# KiCad board EKO_Miner_BM1366-13xx_16-01A.kicad_pcb (continued)
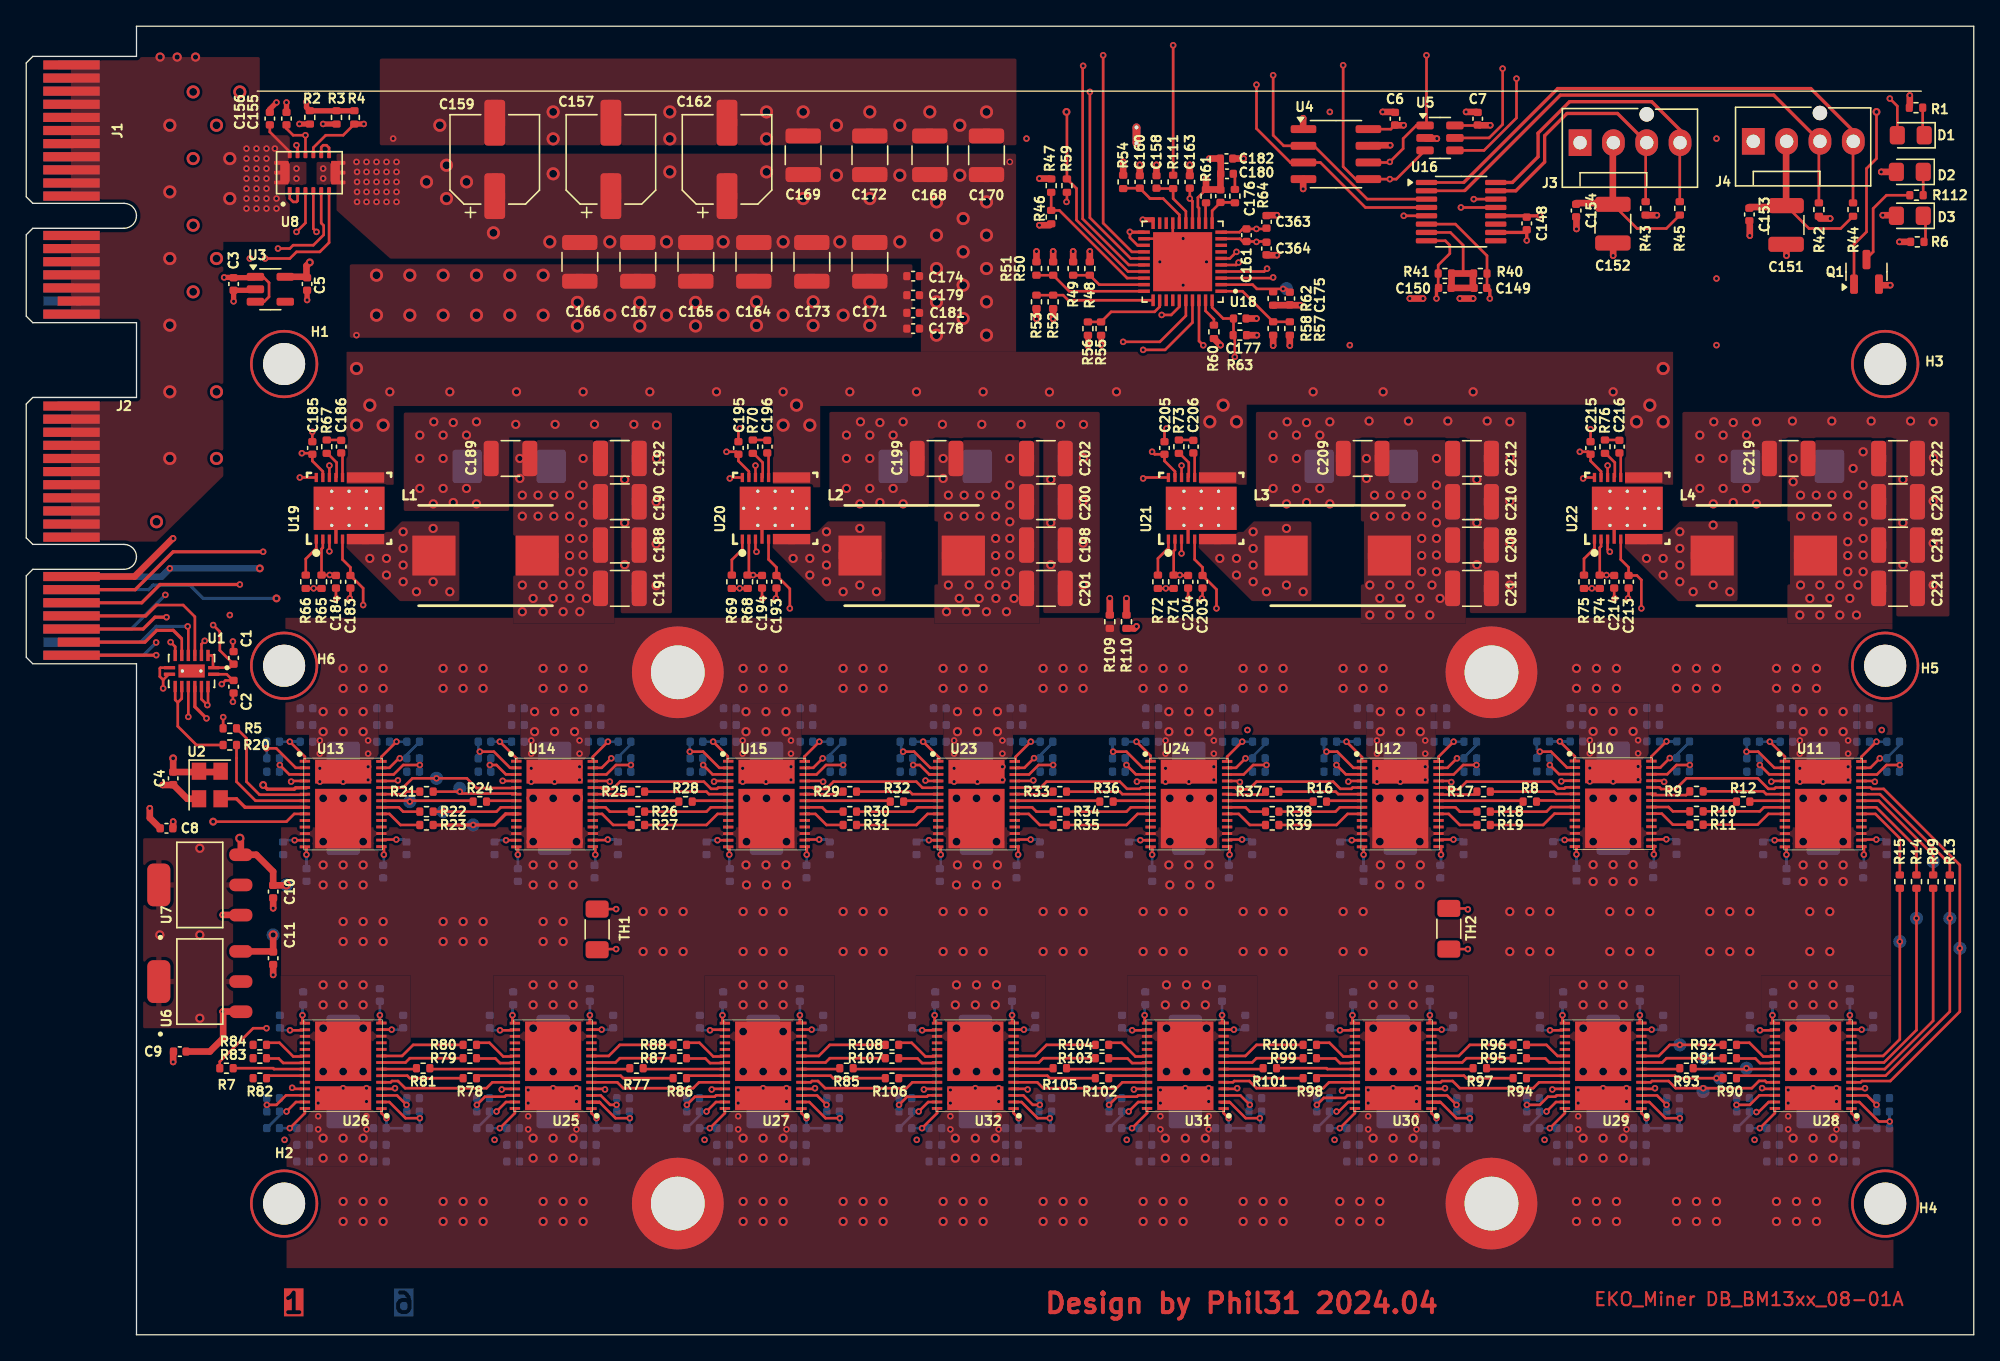
[diagram p0: board, top side]
## Placement (name value [footprint] x y rotation side) (continued)
C347  1uF  [C_0402_1005Metric]  77.65 17.02 0 bottom
C348  1uF  [C_0402_1005Metric]  76.89 23.88 90 bottom
C349  1uF  [C_0402_1005Metric]  77.65 15.75 180 bottom
C350  1uF  [C_0402_1005Metric]  69.27 25.65 90 bottom
C351  1uF  [C_0402_1005Metric]  75.11 15.75 180 bottom
C352  100nF  [C_0402_1005Metric]  75.11 13.21 0 bottom
C353  100nF  [C_0402_1005Metric]  75.11 14.48 0 bottom
C354  1uF  [C_0402_1005Metric]  69.27 14.48 180 bottom
C355  1uF  [C_0402_1005Metric]  69.27 13.21 180 bottom
C356  330uF  [CP_EIA-7343-31_Kemet-D_Pad2.25x2.55mm_HandSolder]  72.32 20.07 90 bottom
C357  1uF  [C_0402_1005Metric]  69.27 15.75 180 bottom
C358  1uF  [C_0402_1005Metric]  75.11 25.91 90 bottom
C359  1uF  [C_0402_1005Metric]  66.99 15.75 180 bottom
C360  1uF  [C_0402_1005Metric]  67.49 23.88 90 bottom
C361  1uF  [C_0402_1005Metric]  66.99 17.02 180 bottom
C362  1uF  [C_0402_1005Metric]  66.99 18.03 0 bottom
C363  22pF  [C_0402_1005Metric]  94.51 84.84 270 top
C364  22pF  [C_0402_1005Metric]  94.51 82.8 90 top
C365  100uF  [C_1210_3225Metric]  45.23 56.9 0 bottom
C366  100uF  [C_1210_3225Metric]  45.23 60.2 0 bottom
C367  100uF  [C_1210_3225Metric]  45.23 63.5 0 bottom
C368  100uF  [C_1210_3225Metric]  45.23 66.8 0 bottom
C369  100uF  [C_1210_3225Metric]  77.7 56.9 0 bottom
C370  100uF  [C_1210_3225Metric]  77.7 60.2 0 bottom
C371  100uF  [C_1210_3225Metric]  77.7 63.5 0 bottom
C372  100uF  [C_1210_3225Metric]  77.7 66.8 0 bottom
C373  100uF  [C_1210_3225Metric]  110.16 56.9 0 bottom
C374  100uF  [C_1210_3225Metric]  110.16 60.2 0 bottom
C375  100uF  [C_1210_3225Metric]  110.16 63.5 0 bottom
C376  100uF  [C_1210_3225Metric]  110.16 66.8 0 bottom
C377  100uF  [C_1210_3225Metric]  142.63 56.9 0 bottom
C378  100uF  [C_1210_3225Metric]  142.63 60.2 0 bottom
C379  100uF  [C_1210_3225Metric]  142.63 63.5 0 bottom
C380  100uF  [C_1210_3225Metric]  142.63 66.8 0 bottom
D1  LED  [LED_0805_2012Metric_Pad1.15x1.40mm_HandSolder]  143.6 91.44 180 top
D2  LED  [LED_0805_2012Metric_Pad1.15x1.40mm_HandSolder]  143.53 88.65 180 top
D3  LED  [LED_0805_2012Metric_Pad1.15x1.40mm_HandSolder]  143.53 85.3 180 top
H1  MountingHole  [MountingHole_3.2mm_M3_ISO7380]  19.65 74 0 top
H2  MountingHole  [MountingHole_3.2mm_M3_ISO7380]  19.65 10 0 top
H3  MountingHole  [MountingHole_3.2mm_M3_ISO7380]  141.65 74 0 top
H4  MountingHole  [MountingHole_3.2mm_M3_ISO7380]  141.65 10 0 top
H5  MountingHole  [MountingHole_3.2mm_M3_ISO7380]  141.65 51 0 top
H6  MountingHole  [MountingHole_3.2mm_M3_ISO7380]  19.65 51 0 top
H7  MountingHole_Pad  [SMTSO-M3-3ET]  49.65 50.5 180 bottom
H8  MountingHole_Pad  [SMTSO-M3-3ET]  111.65 50.5 180 bottom
H11  MountingHole_Pad  [SMTSO-M3-3ET]  111.65 10 180 bottom
H12  MountingHole_Pad  [SMTSO-M3-3ET]  49.65 10 180 bottom
J1  10018784-10210TLF  [BUS_PCIexpress_x1]  3.45 96.8 270 top
J2  10018784-10210TLF  [BUS_PCIexpress_x1]  3.45 70.8 270 top
J3  Conn_01x04  [FanPinHeader_1x04_P2.54mm_Vertical]  118.4 90.88 0 top
J4  Conn_01x04  [FanPinHeader_1x04_P2.54mm_Vertical]  131.6 90.97 0 top
L1  150nH  [INDM1031X765N]  35 59.4 0 top
L2  150nH  [INDM1031X765N]  67.47 59.4 0 top
L3  150nH  [INDM1031X765N]  99.93 59.4 0 top
L4  150nH  [INDM1031X765N]  132.4 59.4 0 top
NT1  NetTie_2  [NetTie-2_SMD_Pad0.5mm]  109.75 78.99 0 top
NT2  NetTie_2  [NetTie-2_SMD_Pad0.5mm]  105.94 78.99 0 top
Q1  BSS138  [SOT-23]  140.23 81.03 90 top
R1  180R  [R_0402_1005Metric]  144 93.54 0 top
R2  10K  [R_0402_1005Metric]  21.61 92.8 90 top  (not fitted)
R3  10K  [R_0402_1005Metric]  23.64 92.8 90 top  (not fitted)
R4  10K  [R_0402_1005Metric]  25 92.8 90 top
R5  10K  [R_0402_1005Metric]  15.51 46.23 0 top
R6  180R  [R_0402_1005Metric]  144.1 83.31 0 top
R7  10K  [R_0402_1005Metric]  15.26 20.32 0 top
R8  33  [R_0402_1005Metric]  114.57 40.64 180 top
R9  33  [R_0402_1005Metric]  127.27 41.42 0 top
R10  33  [R_0402_1005Metric]  127.27 39.9 0 top
R11  33  [R_0402_1005Metric]  127.27 38.88 0 top
R12  33  [R_0402_1005Metric]  130.83 40.64 180 top
R13  33  [R_0402_1005Metric]  146.58 34.54 270 top
R14  33  [R_0402_1005Metric]  144.04 34.54 270 top
R15  33  [R_0402_1005Metric]  142.77 34.54 270 top
R16  33  [R_0402_1005Metric]  98.57 40.64 180 top
R17  33  [R_0402_1005Metric]  111.05 41.4 0 top
R18  33  [R_0402_1005Metric]  111.05 39.88 0 top
R19  33  [R_0402_1005Metric]  111.05 38.86 0 top
R20  33  [R_0402_1005Metric]  15.51 44.96 180 top
R21  33  [R_0402_1005Metric]  30.5 41.4 0 top
R22  33  [R_0402_1005Metric]  30.5 39.88 0 top
R23  33  [R_0402_1005Metric]  30.5 38.86 0 top
R24  33  [R_0402_1005Metric]  34.56 40.64 180 top
R25  33  [R_0402_1005Metric]  46.61 41.4 0 top
R26  33  [R_0402_1005Metric]  46.61 39.88 0 top
R27  33  [R_0402_1005Metric]  46.61 38.86 0 top
R28  33  [R_0402_1005Metric]  50.24 40.64 180 top
R29  33  [R_0402_1005Metric]  62.76 41.4 0 top
R30  33  [R_0402_1005Metric]  62.76 39.88 0 top
R31  33  [R_0402_1005Metric]  62.76 38.86 0 top
R32  33  [R_0402_1005Metric]  66.35 40.64 180 top
R33  33  [R_0402_1005Metric]  78.76 41.4 0 top
R34  33  [R_0402_1005Metric]  78.76 39.88 0 top
R35  33  [R_0402_1005Metric]  78.76 38.86 0 top
R36  33  [R_0402_1005Metric]  82.31 40.64 180 top
R37  33  [R_0402_1005Metric]  94.94 41.4 0 top
R38  33  [R_0402_1005Metric]  94.94 39.88 0 top
R39  33  [R_0402_1005Metric]  94.94 38.86 0 top
R40  1.6K  [R_0402_1005Metric]  110.8 80.9 0 top
R41  1.6K  [R_0402_1005Metric]  108.1 80.9 0 top
R42  4.7K  [R_0402_1005Metric]  136.6 85.78 270 top
R43  4.7K  [R_0402_1005Metric]  123.4 85.87 270 top
R44  10k  [R_0402_1005Metric]  139.2 85.78 270 top
R45  10k  [R_0402_1005Metric]  126 85.87 270 top
R46  16K5  [R_0402_1005Metric]  78.1 85.2 90 top
R47  24K3  [R_0402_1005Metric]  78.1 87.6 90 top
R48  16K5  [R_0402_1005Metric]  81.04 81.28 270 top
R49  24K3  [R_0402_1005Metric]  79.77 81.28 90 top
R50  9K31  [R_0402_1005Metric]  78.25 81.28 270 top
R51  150K  [R_0402_1005Metric]  76.98 81.28 90 top
R52  36K7  [R_0402_1005Metric]  78.25 78.74 90 top
R53  39K2  [R_0402_1005Metric]  76.98 78.74 270 top
R54  1R  [R_0402_1005Metric]  83.58 87.88 90 top
R55  33K2  [R_0402_1005Metric]  81.9 76.7 90 top
R56  30K1  [R_0402_1005Metric]  80.9 76.7 270 top
R57  4K32  [R_0402_1005Metric]  96.28 76.71 90 top
R58  20K  [R_0402_1005Metric]  95.01 76.71 270 top
R59  10k  [R_0402_1005Metric]  79.3 87.6 270 top
R60  20K  [R_0402_1005Metric]  90.5 76.45 90 top
R61  2K55  [R_0402_1005Metric]  89.9 86.8 90 top
R62  35K  [R_0402_1005Metric]  95.01 78.99 270 top
R63  121K  [R_0402_1005Metric]  92.47 76.2 0 top
R64  10K  [R_0402_1005Metric]  92.1 86.8 270 top
R65  0R  [R_0402_1005Metric]  22.5 57.4 270 top  (not fitted)
R66  0R  [R_0402_1005Metric]  21.3 57.4 270 top
R67  2R2  [R_0402_1005Metric]  22.9 67.7 270 top
R68  0R  [R_0402_1005Metric]  54.97 57.4 270 top  (not fitted)
R69  0R  [R_0402_1005Metric]  53.77 57.4 270 top
R70  2R2  [R_0402_1005Metric]  55.37 67.7 270 top
R71  0R  [R_0402_1005Metric]  87.43 57.4 270 top  (not fitted)
R72  0R  [R_0402_1005Metric]  86.23 57.4 270 top
R73  2R2  [R_0402_1005Metric]  87.83 67.7 270 top
R74  0R  [R_0402_1005Metric]  119.9 57.4 270 top  (not fitted)
R75  0R  [R_0402_1005Metric]  118.7 57.4 270 top
R76  2R2  [R_0402_1005Metric]  120.3 67.7 270 top
R77  33  [R_0402_1005Metric]  46.5 20.32 0 top
R78  33  [R_0402_1005Metric]  33.8 19.56 180 top
R79  33  [R_0402_1005Metric]  33.8 21.08 180 top
R80  33  [R_0402_1005Metric]  33.8 22.1 180 top
R81  33  [R_0402_1005Metric]  30.24 20.32 0 top
R82  33  [R_0402_1005Metric]  17.8 19.56 180 top
R83  33  [R_0402_1005Metric]  17.8 21.08 180 top
R84  33  [R_0402_1005Metric]  17.8 22.1 180 top
R85  33  [R_0402_1005Metric]  62.5 20.32 0 top
R86  33  [R_0402_1005Metric]  49.8 19.56 180 top
R87  33  [R_0402_1005Metric]  49.8 21.08 180 top
R88  33  [R_0402_1005Metric]  49.8 22.1 180 top
R89  33  [R_0402_1005Metric]  145.31 34.54 90 top
R90  33  [R_0402_1005Metric]  129.81 19.56 180 top
R91  33  [R_0402_1005Metric]  129.81 21.08 180 top
R92  33  [R_0402_1005Metric]  129.81 22.1 180 top
R93  33  [R_0402_1005Metric]  126.51 20.32 0 top
R94  33  [R_0402_1005Metric]  113.81 19.56 180 top
R95  33  [R_0402_1005Metric]  113.81 21.08 180 top
R96  33  [R_0402_1005Metric]  113.81 22.1 180 top
R97  33  [R_0402_1005Metric]  110.76 20.32 0 top
R98  33  [R_0402_1005Metric]  97.81 19.56 180 top
R99  33  [R_0402_1005Metric]  97.81 21.08 180 top
R100  33  [R_0402_1005Metric]  97.81 22.1 180 top
R101  33  [R_0402_1005Metric]  94.76 20.32 0 top
R102  33  [R_0402_1005Metric]  81.97 19.56 180 top
R103  33  [R_0402_1005Metric]  81.97 21.08 180 top
R104  33  [R_0402_1005Metric]  81.97 22.1 180 top
R105  33  [R_0402_1005Metric]  78.76 20.32 0 top
R106  33  [R_0402_1005Metric]  65.97 19.56 180 top
R107  33  [R_0402_1005Metric]  65.97 21.08 180 top
R108  33  [R_0402_1005Metric]  65.97 22.1 180 top
R109  51R 0.5%  [R_0402_1005Metric]  82.57 54.36 270 top
R110  51R 0.5%  [R_0402_1005Metric]  83.84 54.36 270 top
R111  1R  [R_0402_1005Metric]  87.39 87.88 90 top
R112  180R  [R_0402_1005Metric]  144.04 86.87 0 top
T1  net-tie  [NetTie-2_THT_Pad0.3mm]  84.6 90.84 90 top
TH1  PT1000  [R_1206_3216Metric_Pad1.30x1.75mm_HandSolder]  43.5 30.9 90 top
TH2  PT1000  [R_1206_3216Metric_Pad1.30x1.75mm_HandSolder]  108.4 30.95 90 top
TP1  TestPoint  [TestPoint_Pad_D1.0mm]  31.26 42.42 0 bottom
TP2  TestPoint  [TestPoint_Pad_D1.0mm]  31.77 39.88 0 bottom
TP3  TestPoint  [TestPoint_Pad_D1.0mm]  29.23 40.64 0 bottom
TP4  TestPoint  [TestPoint_Pad_D1.0mm]  34.05 38.86 0 bottom
TP5  TestPoint  [TestPoint_Pad_D1.0mm]  33.04 41.66 0 bottom
TP6  TestPoint  [TestPoint_Pad_D1.0mm]  19.83 34.29 90 bottom
TP7  TestPoint  [TestPoint_Pad_D1.0mm]  18.81 30.48 90 bottom
TP8  TestPoint  [TestPoint_Pad_D1.0mm]  127.78 18.54 90 bottom
TP9  TestPoint  [TestPoint_Pad_D1.0mm]  127.88 21.08 90 bottom
TP10  TestPoint  [TestPoint_Pad_D1.0mm]  96.03 79.76 180 bottom
TP11  TestPoint  [TestPoint_Pad_D1.0mm]  131.08 20.32 90 bottom
TP12  TestPoint  [TestPoint_Pad_D1.0mm]  126 22.1 90 bottom
TP13  TestPoint  [TestPoint_Pad_D1.0mm]  129.05 19.56 90 bottom
TP14  TestPoint  [TestPoint_Pad_D1.0mm]  146.58 31.75 180 bottom
TP15  TestPoint  [TestPoint_Pad_D1.0mm]  145.31 36.07 180 bottom
TP16  TestPoint  [TestPoint_Pad_D1.0mm]  142.77 29.97 180 bottom
TP17  TestPoint  [TestPoint_Pad_D1.0mm]  144.04 31.75 180 bottom
TP18  TestPoint  [TestPoint_Pad_D1.0mm]  147.34 29.46 180 bottom
U1  SN74AXC4T245BQB  [QFN50P350X250X80-17N]  12.6 50.6 270 top
U2  25MHz  [Oscillator_SMD_Abracon_ASE-4Pin_3.2x2.5mm]  13.99 41.91 270 top
U3  MCP1824T-3302E/OT  [SOT-23-5]  18.6 79.7 0 top
U4  FM24C64B  [SOIC-8_3.9x4.9mm_P1.27mm]  99.8 90 0 top
U5  24AA02E48T-E_OT  [SOT-23-6]  107.72 91.23 0 top  (not fitted)
U6  MCP1826S-0802E_DB  [MCP1826S]  13.23 26.92 90 top
U7  MCP1826S-1802E_DB  [MCP1826S]  13.23 34.29 90 top
U8  INA745BIRELR  [VQFN-14_REL0014B]  21.58 87.19 90 top
U10  BM1366_mode1  [BM1366]  120.92 40.48 0 top
U11  BM1366_mode1  [BM1366]  136.92 40.46 0 top
U12  BM1366_mode1  [BM1366]  104.7 40.46 0 top
U13  BM1366_mode1  [BM1366]  24.15 40.46 0 top
U14  BM1366_mode1  [BM1366]  40.26 40.46 0 top
U15  BM1366_mode1  [BM1366]  56.41 40.46 0 top
U16  MAX6615AEE_  [QSOP-16_3.9x4.9mm_P0.635mm]  109.34 85.62 0 top
U18  TPS53647RHA  [QFN50P600X600X80-41N]  88.12 81.8 180 top
U19  DMC0012A  [CSD95472Q5MC]  24.6 63 90 top
U20  DMC0012A  [CSD95472Q5MC]  57.07 63 90 top
U21  DMC0012A  [CSD95472Q5MC]  89.53 63 90 top
U22  DMC0012A  [CSD95472Q5MC]  122 63 90 top
U23  BM1366_mode1  [BM1366]  72.41 40.46 0 top
U24  BM1366_mode1  [BM1366]  88.59 40.46 0 top
U25  BM1366_mode1  [BM1366]  40.15 20.5 180 top
U26  BM1366_mode1  [BM1366]  24.15 20.5 180 top
U27  BM1366_mode1  [BM1366]  56.15 20.5 180 top
U28  BM1366_mode1  [BM1366]  136.16 20.5 180 top
U29  BM1366_mode1  [BM1366]  120.16 20.5 180 top
U30  BM1366_mode1  [BM1366]  104.16 20.5 180 top
U31  BM1366_mode1  [BM1366]  88.32 20.5 180 top
U32  BM1366_mode1  [BM1366]  72.32 20.5 180 top

## Library data of the parts
C1 C2 C22 C23 C39 C40 C56 C57 C73 C74 C90 C91 C107 C108 C124 C125 C141 C142 C233 C234 C250 C251 C267 C268 C284 C285 C301 C302 C318 C319 C335 C336 C352 C353 = -: DK: 1292-1639-1-ND; PARTNO: 0402X104K100CT
C3 C5 C8-C11 C16-C21 C24 C25 C27-C38 C41 C42 C44-C55 C58 C59 C61-C72 C75 C76 C78-C89 C92 C93 C95-C106 C109 C110 C112-C123 C126 C127 C129-C140 C143 C144 C146 C147 C223-C232 C235 C236 C238-C249 C252 C253 C255-C266 C269 C270 C272-C283 C286 C287 C289-C300 C303 C304 C306-C317 C320 C321 C323-C334 C337 C338 C340-C351 C354 C355 C357-C362 = -: DK: 587-5514-1-ND; PARTNO: EMK105BJ105MV-F
C4 = -: DK: 478-KGM05AR71C104KHCT-ND; PARTNO: KGM05AR71C104KH
C6 C7 C155 C156 = -: DK: 490-6321-1-ND; PARTNO: GRM155R71A104KA01D
C26 C43 C60 C77 C94 C111 C128 C145 C187 C197 C207 C217 C237 C254 C271 C288 C305 C322 C339 C356 = -: DK: 718-1028-1-ND; PARTNO: 293D337X9010E2TE3
C151 C152 C168-C173 = -: DK: 490-3889-1-ND; PARTNO: GRM32ER61E226KE15L
C157 C159 C162 = -: Datasheet: https://industrial.panasonic.com/cdbs/www-data/pdf/AAB8000/AAB8000C177.pdf; HEIGHT: 5.9mm
C164-C167 = -: DK: 490-6539-1-ND; PARTNO: GRM32ER61C476KE15L
C174 C178 = -: DK: 587-1291-1-ND; PARTNO: TMK212BJ105KG-T
C175 = -: Description: 1mOhm
D1-D3 = -: Description: Light emitting diode
H1-H6 = -: Description: Mounting Hole without connection
H7 H8 H11 H12 = -: Description: Mounting Hole with connection
J1 J2 = -: Description: https://www.snapeda.com/parts/10018784-10210TLF/Amphenol%20ICC/datasheet/; MF: Amphenol ICC; Description_1: 36 Position Female Connector PCI Express™ Gold 0.039 (1.00mm) Black; Package: None; Price: None; Check_prices: https://www.snapeda.com/parts/10018784-10210TLF/Amphenol+FCI/view-part/?ref=eda; STANDARD: Manufacturer Recommendations; PARTREV: S; SnapEDA_Link: https://www.snapeda.com/parts/10018784-10210TLF/Amphenol+FCI/view-part/?ref=snap; Purchase-URL: https://www.snapeda.com/api/url_track_click_mouser/?unipart_id=520950&manufacturer=Amphenol ICC&part_name=10018784-10210TLF&search_term=10018784-10210tlf; Availability: In Stock; MANUFACTURER: Amphenol
J3 J4 = -: PARTNO: 0470531000; DK: WM4330-ND
L1-L4 = -: PARTNO: PA2982.151HLT; HEIGHT: 5.1mm
NT1 NT2 = -: Description: Net tie, 2 pins
Q1 = -: Datasheet: https://www.onsemi.com/pub/Collateral/BSS138-D.PDF; Description: 50V Vds, 0.22A Id, N-Channel MOSFET, SOT-23
R8-R39 R77-R108 = -: DK: 311-33.0LRCT-ND; PARTNO: RC0402FR-0733RL
R44 R45 R59 = -: DK: 311-10KJRCT-ND; PARTNO: RC0402JR-0710KL
R54 R111 = -: Description: verifier puissance ??; DK: 311-10.0LRCT-ND; PARTNO: RC0402FR-0710RL
R64 = -: DK: RMCF0402FT10K0TR-ND; PARTNO: RMCF0402FT10K0
TH1 TH2 = -: Datasheet: https://www.heraeus.com/media/media/group/doc_group/products_1/hst/sot_to/de_15/to_92_d.pdf; Description: PT1000 platinum temperature sensor (RTD)
U1 = -: Datasheet: https://www.ti.com/lit/ds/symlink/sn74avc4t245.pdf; Description: 4-Bit Dual-Supply Bus Transceiver With Configurable Voltage Translation and 3-State Outputs, WQFN16
U2 = -: Datasheet: https://www.jauch.com/downloadfile/5ef1edcfb8e2f73163c8ce8009ef659d1/jo32-1.8-3.3v.pdf; DK: 1908-O250-JO32-B-1V3-1-T1-LFCT-ND; PARTNO: O 25,0-JO32-B-1V3-1-T1-LF
U3 = -: Datasheet: https://ww1.microchip.com/downloads/en/DeviceDoc/22070a.pdf; PARTNO: MCP1824T-0802E/OT; DK: MCP1824T-0802E/OTCT-ND
U4 = -: Datasheet: http://www.cypress.com/file/41651/download; Description: 64Kb serial FRAM nonvolatile Memory, SOIC-8
U5 = -: MF: Microchip; SNAPEDA_PACKAGE_ID: 121498; MAXIMUM_PACKAGE_HEIGHT: 1.45 mm; Price: None; Package: SOT-23-6 Microchip; Check_prices: https://www.snapeda.com/parts/24AA025E48T-E/OT/Microchip/view-part/?ref=eda; STANDARD: IPC 7351B; PARTREV: G; SnapEDA_Link: https://www.snapeda.com/parts/24AA025E48T-E/OT/Microchip/view-part/?ref=snap; MP: 24AA025E48T-E/OT; Purchase-URL: https://www.snapeda.com/api/url_track_click_mouser/?unipart_id=490400&manufacturer=Microchip&part_name=24AA025E48T-E/OT&search_term=24aa025e48; Description_1: 6 SOT-23 T/R2K, 256 X 8 1.8V SERIAL EE, EXT | Microchip Technology Inc. 24AA025E48T-E/OT; MANUFACTURER: Microchip; Availability: In Stock; SNAPEDA_PN: 24AA025E48T-E/OT
U6 = -: MF: Microchip; Description_1: IC,LINEAR REGULATOR;MAX. INPUT,6V;OUTPUT,1.8V;1000MA;ACCURACY,0.5%;SOT223-3 | Microchip Technology Inc. MCP1826S-1802E/DB; Package: SOT-223 Microchip Technology; Price: None; SnapEDA_Link: https://www.snapeda.com/parts/MCP1826S-1802E/DB/Microchip/view-part/?ref=snap; MP: MCP1826S-1802E/DB; Purchase-URL: https://www.snapeda.com/api/url_track_click_mouser/?unipart_id=142747&manufacturer=Microchip&part_name=MCP1826S-1802E/DB&search_term=mcp1826s; Availability: In Stock; Check_prices: https://www.snapeda.com/parts/MCP1826S-1802E/DB/Microchip/view-part/?ref=eda; P/N MOUSER: 579-MCP1826S-0802EDB
U7 = -: MF: Microchip; Description_1: IC,LINEAR REGULATOR;MAX. INPUT,6V;OUTPUT,1.8V;1000MA;ACCURACY,0.5%;SOT223-3 | Microchip Technology Inc. MCP1826S-1802E/DB; Package: SOT-223 Microchip Technology; Price: None; SnapEDA_Link: https://www.snapeda.com/parts/MCP1826S-1802E/DB/Microchip/view-part/?ref=snap; MP: MCP1826S-1802E/DB; Purchase-URL: https://www.snapeda.com/api/url_track_click_mouser/?unipart_id=142747&manufacturer=Microchip&part_name=MCP1826S-1802E/DB&search_term=mcp1826s; Availability: In Stock; Check_prices: https://www.snapeda.com/parts/MCP1826S-1802E/DB/Microchip/view-part/?ref=eda; P/N MOUSER: 579-MCP1826S-1802EDB
U8 = -: Datasheet: http://www.ti.com/lit/ds/symlink/ina745B.pdf; Description: Current/power/voltage monitor with Integrated 800µΩ Shunt Resistor, 2.7V - 5.5V, I2C
U16 = -: MF: Maxim Integrated Products; Description_1: Fan Control, Temp Monitor -40°C ~ 125°C Internal and External Sensor SMBus Output 16-QSOP; Package: None; Price: None; SnapEDA_Link: https://www.snapeda.com/parts/MAX6615AEE+/Analog+Devices/view-part/?ref=snap; MP: MAX6615AEE+; Availability: In Stock; Check_prices: https://www.snapeda.com/parts/MAX6615AEE+/Analog+Devices/view-part/?ref=eda
U18 = -: Datasheet: https://www.ti.com/lit/ds/symlink/tps53647.pdf?ts=1712180615535&ref_url=https%253A%252F%252Fwww.ti.com%252Fproduct%252FTPS53647
U19-U22 = -: Datasheet: CSD95491Q5MC

## Footprints (pads in the part's own frame, mm; a bottom-side part is the same pattern mirrored in y, then rotated)
BM1366
  rect 0.792x0.221 smd: 1(-2.916,3.263) 2(-2.916,2.761) 3(-2.916,2.259) 4(-2.916,1.757) 5(-2.916,1.255) 6(-2.916,0.753) 7(-2.916,0.251) 8(-2.916,-0.251) 9(-2.916,-0.753) 10(-2.916,-1.255) 11(-2.916,-1.757) 12(-2.916,-2.259) 13(-2.916,-2.761) 14(-2.916,-3.263) 15(2.916,-3.25) 16(2.916,-2.75) 17(2.916,-2.25) 18(2.916,-1.75) 19(2.916,-1.25) 20(2.916,-0.753) 21(2.916,-0.25) 22(2.916,0.251) 23(2.916,0.753) 24(2.916,1.255) 25(2.916,1.757) 26(2.916,2.25) 27(2.916,2.761) 28(2.916,3.25)
  rect 4.277x1.81 smd: 29(0,2.468)
  rect 4.277x4.53 smd: 30(0,-1.108)
BUS_PCIexpress_x1
  rect 0.7x3.2 smd far side: A1(0,0.55)
  rect 0.7x4.3 smd far side: A2(1,0) A3(2,0) A4(3,0) A5(4,0) A6(5,0) A7(6,0) A8(7,0) A9(8,0) A10(9,0) A11(10,0) A12(13,0) A13(14,0) A14(15,0) A15(16,0) A16(17,0) A17(18,0) A18(19,0)
  rect 0.7x4.3 smd: B1(0,0) B2(1,0) B3(2,0) B4(3,0) B5(4,0) B6(5,0) B7(6,0) B8(7,0) B9(8,0) B10(9,0) B11(10,0) B12(13,0) B13(14,0) B14(15,0) B15(16,0) B16(17,0) B18(19,0)
  rect 0.7x3.2 smd: B17(18,0.55)
C_0402_1005Metric
  rrect 0.56x0.62 smd: 1(-0.48,0) 2(0.48,0)
C_1210_3225Metric
  rrect 1.15x2.7 smd: 1(-1.475,0) 2(1.475,0)
CP_EIA-7343-31_Kemet-D_Pad2.25x2.55mm_HandSolder
  rrect 2.25x2.55 smd: 1(-3.2,0) 2(3.2,0)
CP_Elec_6.3x5.9
  rrect 3.5x1.6 smd: 1(-2.8,0) 2(2.8,0)
CSD95472Q5MC
  rect 0.7x0.25 smd: 1(-2.35,2.501) 2(-2.35,2.001) 3(-2.35,1.5) 5(-2.35,0.5) 8(2.35,0.5) 9(2.35,1) 10(2.35,1.5) 11(2.35,2.001) 12(2.35,2.501)
  rect 1.1x0.25 smd: 4(-2.15,1)
  round 0.5 hole 0.25: 4(-1.3,1.32) 4(-1.3,0) 4(-1.3,-1.32) 4(0,2.4) 4(0,1.32) 4(0,0) 4(0,-2.4) 4(0,-1.32) 4(1.3,1.32) 4(1.3,0) 4(1.3,-1.32)
  rect 3.3x5.4 smd: 4(0,0)
  rect 0.8x2.85 smd: 6(-2.35,-1.25) 7(2.35,-1.25)
FanPinHeader_1x04_P2.54mm_Vertical
  round 1.1 hole 1.1 unplated: (5.08,2.16)
  rect 1.73x2.03 hole 1.02: 1(0,0)
  oval 1.73x2.03 hole 1.02: 2(2.54,0) 3(5.08,0) 4(7.62,0)
INDM1031X765N
  rect 3.3x3.05 smd: 1(-3.935,0) 2(3.935,0)
LED_0805_2012Metric_Pad1.15x1.40mm_HandSolder
  rrect 1.15x1.4 smd: 1(-1.025,0) 2(1.025,0)
MCP1826S
  rrect 0.96x1.76 smd: 1(-2.3,-3.125) 2(0,-3.125) 3(2.3,-3.125)
  rrect 3.26x1.76 smd: 4(0,3.125)
MountingHole_3.2mm_M3_ISO7380
  round 3.2 hole 3.2 unplated: (0,0)
NetTie-2_SMD_Pad0.5mm
  round 0.5 smd: 1(-0.5,0) 2(0.5,0)
NetTie-2_THT_Pad0.3mm
  round 0.6 hole 0.3: 1(0,0) 2(1.2,0)
Oscillator_SMD_Abracon_ASE-4Pin_3.2x2.5mm
  rect 1.3x1.1 smd: 1(-1.05,-0.825) 2(1.05,-0.825) 3(1.05,0.825) 4(-1.05,0.825)
QFN50P350X250X80-17N
  rrect 0.26x0.86 smd: 1(-0.25,1.685) 8(-0.25,-1.685) 9(0.25,-1.685) 16(0.25,1.685)
  rrect 0.86x0.26 smd: 2(-1.185,1.25) 3(-1.185,0.75) 4(-1.185,0.25) 5(-1.185,-0.25) 6(-1.185,-0.75) 7(-1.185,-1.25) 10(1.185,-1.25) 11(1.185,-0.75) 12(1.185,-0.25) 13(1.185,0.25) 14(1.185,0.75) 15(1.185,1.25)
  round 0.4 hole 0.25: 17(0,0.7) 17(0,-0.7)
  rect 1x2 smd: 17(0,0)
QFN50P600X600X80-41N
  rrect 0.89x0.26 smd: 1(-2.94,2.25) 2(-2.94,1.75) 3(-2.94,1.25) 4(-2.94,0.75) 5(-2.94,0.25) 6(-2.94,-0.25) 7(-2.94,-0.75) 8(-2.94,-1.25) 9(-2.94,-1.75) 10(-2.94,-2.25) 21(2.94,-2.25) 22(2.94,-1.75) 23(2.94,-1.25) 24(2.94,-0.75) 25(2.94,-0.25) 26(2.94,0.25) 27(2.94,0.75) 28(2.94,1.25) 29(2.94,1.75) 30(2.94,2.25)
  rrect 0.26x0.89 smd: 11(-2.25,-2.94) 12(-1.75,-2.94) 13(-1.25,-2.94) 14(-0.75,-2.94) 15(-0.25,-2.94) 16(0.25,-2.94) 17(0.75,-2.94) 18(1.25,-2.94) 19(1.75,-2.94) 20(2.25,-2.94) 31(2.25,2.94) 32(1.75,2.94) 33(1.25,2.94) 34(0.75,2.94) 35(0.25,2.94) 36(-0.25,2.94) 37(-0.75,2.94) 38(-1.25,2.94) 39(-1.75,2.94) 40(-2.25,2.94)
  rect 4.5x4.5 smd: 41(0,0)
QSOP-16_3.9x4.9mm_P0.635mm
  rrect 1.625x0.4 smd: 1(-2.638,2.223) 2(-2.638,1.587) 3(-2.638,0.953) 4(-2.638,0.318) 5(-2.638,-0.318) 6(-2.638,-0.953) 7(-2.638,-1.587) 8(-2.638,-2.223) 9(2.638,-2.223) 10(2.638,-1.587) 11(2.638,-0.953) 12(2.638,-0.318) 13(2.638,0.318) 14(2.638,0.953) 15(2.638,1.587) 16(2.638,2.223)
R_0402_1005Metric
  rrect 0.54x0.64 smd: 1(-0.51,0) 2(0.51,0)
R_1206_3216Metric_Pad1.30x1.75mm_HandSolder
  rrect 1.3x1.75 smd: 1(-1.55,0) 2(1.55,0)
SMTSO-M3-3ET
  round 7 hole 4.1: 1(0,0)
SOIC-8_3.9x4.9mm_P1.27mm
  rrect 1.95x0.6 smd: 1(-2.475,1.905) 2(-2.475,0.635) 3(-2.475,-0.635) 4(-2.475,-1.905) 5(2.475,-1.905) 6(2.475,-0.635) 7(2.475,0.635) 8(2.475,1.905)
SOT-23
  rrect 1.475x0.6 smd: 1(-0.938,0.95) 2(-0.938,-0.95) 3(0.938,0)
SOT-23-5
  rrect 1.325x0.6 smd: 1(-1.137,0.95) 2(-1.137,0) 3(-1.137,-0.95) 4(1.137,-0.95) 5(1.137,0.95)
SOT-23-6
  rrect 1.325x0.6 smd: 1(-1.137,0.95) 2(-1.137,0) 3(-1.137,-0.95) 4(1.137,-0.95) 5(1.137,0) 6(1.137,0.95)
TestPoint_Pad_D1.0mm
  round 1 smd: 1(0,0)
VQFN-14_REL0014B
  rect 0.6x0.3 smd: 1(0,1.5)
  rrect 0.6x0.3 smd: 2(0,0.9) 3(0,0.3) 4(0,-0.3) 5(0,-0.9) 6(0,-1.5) 8(2.8,-1.5) 9(2.8,-0.9) 10(2.8,-0.3) 11(2.8,0.3) 12(2.8,0.9) 13(2.8,1.5)
  rrect 0.3x1.1 smd: 7(0.65,-2.2) 7(1.4,-2.2) 7(2.15,-2.2) 14(0.65,2.135) 14(1.4,2.135) 14(2.15,2.135)
  rrect 1.6x0.725 smd: 7(1.4,-1.962) 14(1.4,1.863)

## Nets
+0.8V: C11.1 C18.1 C30.1 C35.1 C47.1 C52.1 C64.1 C69.1 C81.1 C86.1 C98.1 C103.1 C115.1 C120.1 C132.1 C137.1 C224.1 C229.1 C241.1 C246.1 C258.1 C263.1 C275.1 C280.1 C292.1 C297.1 C309.1 C314.1 C326.1 C331.1 C343.1 C348.1 C360.1 TP7.1 U6.3 U10.13 U10.16 U11.13 U11.16 U12.13 U12.16 U13.13 U13.16 U14.13 U14.16 U15.13 U15.16 U23.13 U23.16 U24.13 U24.16 U25.13 U25.16 U26.13 U26.16 U27.13 U27.16 U28.13 U28.16 U29.13 U29.16 U30.13 U30.16 U31.13 U31.16 U32.13 U32.16
+1.8V: C2.1 C4.1 C10.1 C20.1 C28.1 C37.1 C45.1 C54.1 C62.1 C71.1 C79.1 C88.1 C96.1 C105.1 C113.1 C122.1 C130.1 C139.1 C147.1 C231.1 C239.1 C248.1 C256.1 C265.1 C273.1 C282.1 C290.1 C299.1 C307.1 C316.1 C324.1 C333.1 C341.1 C350.1 C358.1 R7.1 TP6.1 U1.16 U2.1 U2.4 U7.3 U10.14 U10.15 U11.14 U11.15 U12.14 U12.15 U13.14 U13.15 U14.14 U14.15 U15.14 U15.15 U23.14 U23.15 U24.14 U24.15 U25.14 U25.15 U26.14 U26.15 U27.14 U27.15 U28.14 U28.15 U29.14 U29.15 U30.14 U30.15 U31.14 U31.15 U32.14 U32.15
+3.3V_DB: C1.1 C5.1 C6.1 C7.1 C148.1 C155.1 D2.2 D3.2 R2.2 R3.2 R4.2 R42.2 R43.2 U1.1 U1.2 U3.5 U4.1 U4.8 U5.6 U8.11 U16.12
+3.3VP: C163.1 R59.2 U18.14 U18.21 U18.23
+5V_PSU: C8.1 C9.1 C183.1 C193.1 C203.1 C213.1 J2.A12 U6.1 U7.1 U19.5 U20.5 U21.5 U22.5
+5V_STDBY: C3.1 J2.B12 R111.2 U3.1 U3.3
+12V_PWR: C151.1 C152.1 C153.1 C154.1 C156.1 J1.B1 J1.B2 J1.B3 J1.B4 J1.B5 J1.B6 J1.B7 J1.B8 J1.B9 J1.B10 J1.B11 J1.B12 J1.B13 J1.B14 J1.B15 J1.B16 J1.B17 J1.B18 J2.B1 J2.B2 J2.B3 J2.B4 J2.B5 J2.B6 J2.B7 J2.B8 J2.B9 J2.B10 J2.B11 J3.2 J4.2 R44.2 R45.2 U8.13 U8.14
/ASICs/ASICs_BM1366_1/BM1366-0/VDD1_0: C70.2 C72.1 U13.1
/ASICs/ASICs_BM1366_1/BM1366-0/VDD1_1: C78.2 C80.1 U13.28
/ASICs/ASICs_BM1366_1/BM1366-0/VDD2_0: C68.2 C70.1 U13.2
/ASICs/ASICs_BM1366_1/BM1366-0/VDD2_1: C80.2 C82.1 U13.27
/ASICs/ASICs_BM1366_1/BM1366-0/VDD3_0: C67.2 C68.1 U13.3
/ASICs/ASICs_BM1366_1/BM1366-0/VDD3_1: C82.2 C83.1 U13.26
/ASICs/ASICs_BM1366_1/BM1366-1/VDD1_0: C87.2 C89.1 U14.1
/ASICs/ASICs_BM1366_1/BM1366-1/VDD1_1: C95.2 C97.1 U14.28
/ASICs/ASICs_BM1366_1/BM1366-1/VDD2_0: C85.2 C87.1 U14.2
/ASICs/ASICs_BM1366_1/BM1366-1/VDD2_1: C97.2 C99.1 U14.27
/ASICs/ASICs_BM1366_1/BM1366-1/VDD3_0: C84.2 C85.1 U14.3
/ASICs/ASICs_BM1366_1/BM1366-1/VDD3_1: C99.2 C100.1 U14.26
/ASICs/ASICs_BM1366_1/BM1366-2/VDD1_0: C104.2 C106.1 U15.1
/ASICs/ASICs_BM1366_1/BM1366-2/VDD1_1: C112.2 C114.1 U15.28
/ASICs/ASICs_BM1366_1/BM1366-2/VDD2_0: C102.2 C104.1 U15.2
/ASICs/ASICs_BM1366_1/BM1366-2/VDD2_1: C114.2 C116.1 U15.27
/ASICs/ASICs_BM1366_1/BM1366-2/VDD3_0: C101.2 C102.1 U15.3
/ASICs/ASICs_BM1366_1/BM1366-2/VDD3_1: C116.2 C117.1 U15.26
/ASICs/ASICs_BM1366_1/BM1366-3/VDD1_0: C121.2 C123.1 U23.1
/ASICs/ASICs_BM1366_1/BM1366-3/VDD1_1: C129.2 C131.1 U23.28
/ASICs/ASICs_BM1366_1/BM1366-3/VDD2_0: C119.2 C121.1 U23.2
/ASICs/ASICs_BM1366_1/BM1366-3/VDD2_1: C131.2 C133.1 U23.27
/ASICs/ASICs_BM1366_1/BM1366-3/VDD3_0: C118.2 C119.1 U23.3
/ASICs/ASICs_BM1366_1/BM1366-3/VDD3_1: C133.2 C134.1 U23.26
/ASICs/ASICs_BM1366_1/BM1366-4/VDD1_0: C138.2 C140.1 U24.1
/ASICs/ASICs_BM1366_1/BM1366-4/VDD1_1: C146.2 C223.1 U24.28
/ASICs/ASICs_BM1366_1/BM1366-4/VDD2_0: C136.2 C138.1 U24.2
/ASICs/ASICs_BM1366_1/BM1366-4/VDD2_1: C223.2 C225.1 U24.27
/ASICs/ASICs_BM1366_1/BM1366-4/VDD3_0: C135.2 C136.1 U24.3
/ASICs/ASICs_BM1366_1/BM1366-4/VDD3_1: C225.2 C226.1 U24.26
/ASICs/ASICs_BM1366_1/BM1366-5/VDD1_0: C53.2 C55.1 U12.1
/ASICs/ASICs_BM1366_1/BM1366-5/VDD1_1: C61.2 C63.1 U12.28
/ASICs/ASICs_BM1366_1/BM1366-5/VDD2_0: C51.2 C53.1 U12.2
/ASICs/ASICs_BM1366_1/BM1366-5/VDD2_1: C63.2 C65.1 U12.27
/ASICs/ASICs_BM1366_1/BM1366-5/VDD3_0: C50.2 C51.1 U12.3
/ASICs/ASICs_BM1366_1/BM1366-5/VDD3_1: C65.2 C66.1 U12.26
/ASICs/ASICs_BM1366_1/BM1366-6/VDD1_0: C19.2 C21.1 U10.1
/ASICs/ASICs_BM1366_1/BM1366-6/VDD1_1: C27.2 C29.1 U10.28
/ASICs/ASICs_BM1366_1/BM1366-6/VDD2_0: C17.2 C19.1 U10.2
/ASICs/ASICs_BM1366_1/BM1366-6/VDD2_1: C29.2 C31.1 U10.27
/ASICs/ASICs_BM1366_1/BM1366-6/VDD3_0: C16.2 C17.1 U10.3
/ASICs/ASICs_BM1366_1/BM1366-6/VDD3_1: C31.2 C32.1 U10.26
/ASICs/ASICs_BM1366_1/BM1366-7/VDD1_0: C36.2 C38.1 U11.1
/ASICs/ASICs_BM1366_1/BM1366-7/VDD1_1: C44.2 C46.1 U11.28
/ASICs/ASICs_BM1366_1/BM1366-7/VDD2_0: C34.2 C36.1 U11.2
/ASICs/ASICs_BM1366_1/BM1366-7/VDD2_1: C46.2 C48.1 U11.27
/ASICs/ASICs_BM1366_1/BM1366-7/VDD3_0: C33.2 C34.1 U11.3
/ASICs/ASICs_BM1366_1/BM1366-7/VDD3_1: C48.2 C49.1 U11.26
/ASICs/ASICs_BM1366_2/BM1366-0/VDD1_0: C281.2 C283.1 U28.1
/ASICs/ASICs_BM1366_2/BM1366-0/VDD1_1: C289.2 C291.1 U28.28
/ASICs/ASICs_BM1366_2/BM1366-0/VDD2_0: C279.2 C281.1 U28.2
/ASICs/ASICs_BM1366_2/BM1366-0/VDD2_1: C291.2 C293.1 U28.27
/ASICs/ASICs_BM1366_2/BM1366-0/VDD3_0: C278.2 C279.1 U28.3
/ASICs/ASICs_BM1366_2/BM1366-0/VDD3_1: C293.2 C294.1 U28.26
/ASICs/ASICs_BM1366_2/BM1366-1/VDD1_0: C298.2 C300.1 U29.1
/ASICs/ASICs_BM1366_2/BM1366-1/VDD1_1: C306.2 C308.1 U29.28
/ASICs/ASICs_BM1366_2/BM1366-1/VDD2_0: C296.2 C298.1 U29.2
/ASICs/ASICs_BM1366_2/BM1366-1/VDD2_1: C308.2 C310.1 U29.27
/ASICs/ASICs_BM1366_2/BM1366-1/VDD3_0: C295.2 C296.1 U29.3
/ASICs/ASICs_BM1366_2/BM1366-1/VDD3_1: C310.2 C311.1 U29.26
/ASICs/ASICs_BM1366_2/BM1366-2/VDD1_0: C315.2 C317.1 U30.1
/ASICs/ASICs_BM1366_2/BM1366-2/VDD1_1: C323.2 C325.1 U30.28
/ASICs/ASICs_BM1366_2/BM1366-2/VDD2_0: C313.2 C315.1 U30.2
/ASICs/ASICs_BM1366_2/BM1366-2/VDD2_1: C325.2 C327.1 U30.27
/ASICs/ASICs_BM1366_2/BM1366-2/VDD3_0: C312.2 C313.1 U30.3
/ASICs/ASICs_BM1366_2/BM1366-2/VDD3_1: C327.2 C328.1 U30.26
/ASICs/ASICs_BM1366_2/BM1366-3/VDD1_0: C332.2 C334.1 U31.1
/ASICs/ASICs_BM1366_2/BM1366-3/VDD1_1: C340.2 C342.1 U31.28
/ASICs/ASICs_BM1366_2/BM1366-3/VDD2_0: C330.2 C332.1 U31.2
/ASICs/ASICs_BM1366_2/BM1366-3/VDD2_1: C342.2 C344.1 U31.27
/ASICs/ASICs_BM1366_2/BM1366-3/VDD3_0: C329.2 C330.1 U31.3
/ASICs/ASICs_BM1366_2/BM1366-3/VDD3_1: C344.2 C345.1 U31.26
/ASICs/ASICs_BM1366_2/BM1366-4/VDD1_0: C349.2 C351.1 U32.1
/ASICs/ASICs_BM1366_2/BM1366-4/VDD1_1: C357.2 C359.1 U32.28
/ASICs/ASICs_BM1366_2/BM1366-4/VDD2_0: C347.2 C349.1 U32.2
/ASICs/ASICs_BM1366_2/BM1366-4/VDD2_1: C359.2 C361.1 U32.27
/ASICs/ASICs_BM1366_2/BM1366-4/VDD3_0: C346.2 C347.1 U32.3
/ASICs/ASICs_BM1366_2/BM1366-4/VDD3_1: C361.2 C362.1 U32.26
/ASICs/ASICs_BM1366_2/BM1366-5/VDD1_0: C264.2 C266.1 U27.1
/ASICs/ASICs_BM1366_2/BM1366-5/VDD1_1: C272.2 C274.1 U27.28
/ASICs/ASICs_BM1366_2/BM1366-5/VDD2_0: C262.2 C264.1 U27.2
/ASICs/ASICs_BM1366_2/BM1366-5/VDD2_1: C274.2 C276.1 U27.27
/ASICs/ASICs_BM1366_2/BM1366-5/VDD3_0: C261.2 C262.1 U27.3
/ASICs/ASICs_BM1366_2/BM1366-5/VDD3_1: C276.2 C277.1 U27.26
/ASICs/ASICs_BM1366_2/BM1366-6/VDD1_0: C230.2 C232.1 U25.1
/ASICs/ASICs_BM1366_2/BM1366-6/VDD1_1: C238.2 C240.1 U25.28
/ASICs/ASICs_BM1366_2/BM1366-6/VDD2_0: C228.2 C230.1 U25.2
/ASICs/ASICs_BM1366_2/BM1366-6/VDD2_1: C240.2 C242.1 U25.27
/ASICs/ASICs_BM1366_2/BM1366-6/VDD3_0: C227.2 C228.1 U25.3
/ASICs/ASICs_BM1366_2/BM1366-6/VDD3_1: C242.2 C243.1 U25.26
/ASICs/ASICs_BM1366_2/BM1366-7/VDD1_0: C247.2 C249.1 U26.1
/ASICs/ASICs_BM1366_2/BM1366-7/VDD1_1: C255.2 C257.1 U26.28
/ASICs/ASICs_BM1366_2/BM1366-7/VDD2_0: C245.2 C247.1 U26.2
/ASICs/ASICs_BM1366_2/BM1366-7/VDD2_1: C257.2 C259.1 U26.27
/ASICs/ASICs_BM1366_2/BM1366-7/VDD3_0: C244.2 C245.1 U26.3
/ASICs/ASICs_BM1366_2/BM1366-7/VDD3_1: C259.2 C260.1 U26.26
/PSU_160A/VIN: C157.1 C159.1 C162.1 C164.1 C165.1 C166.1 C167.1 C168.1 C169.1 C170.1 C171.1 C172.1 C173.1 C174.1 C178.1 C179.1 C181.1 R54.2 U8.7 U19.7 U20.7 U21.7 U22.7
